# Altium PCB DL4-1AA.PcbDoc (part 4 of 5) (continued)
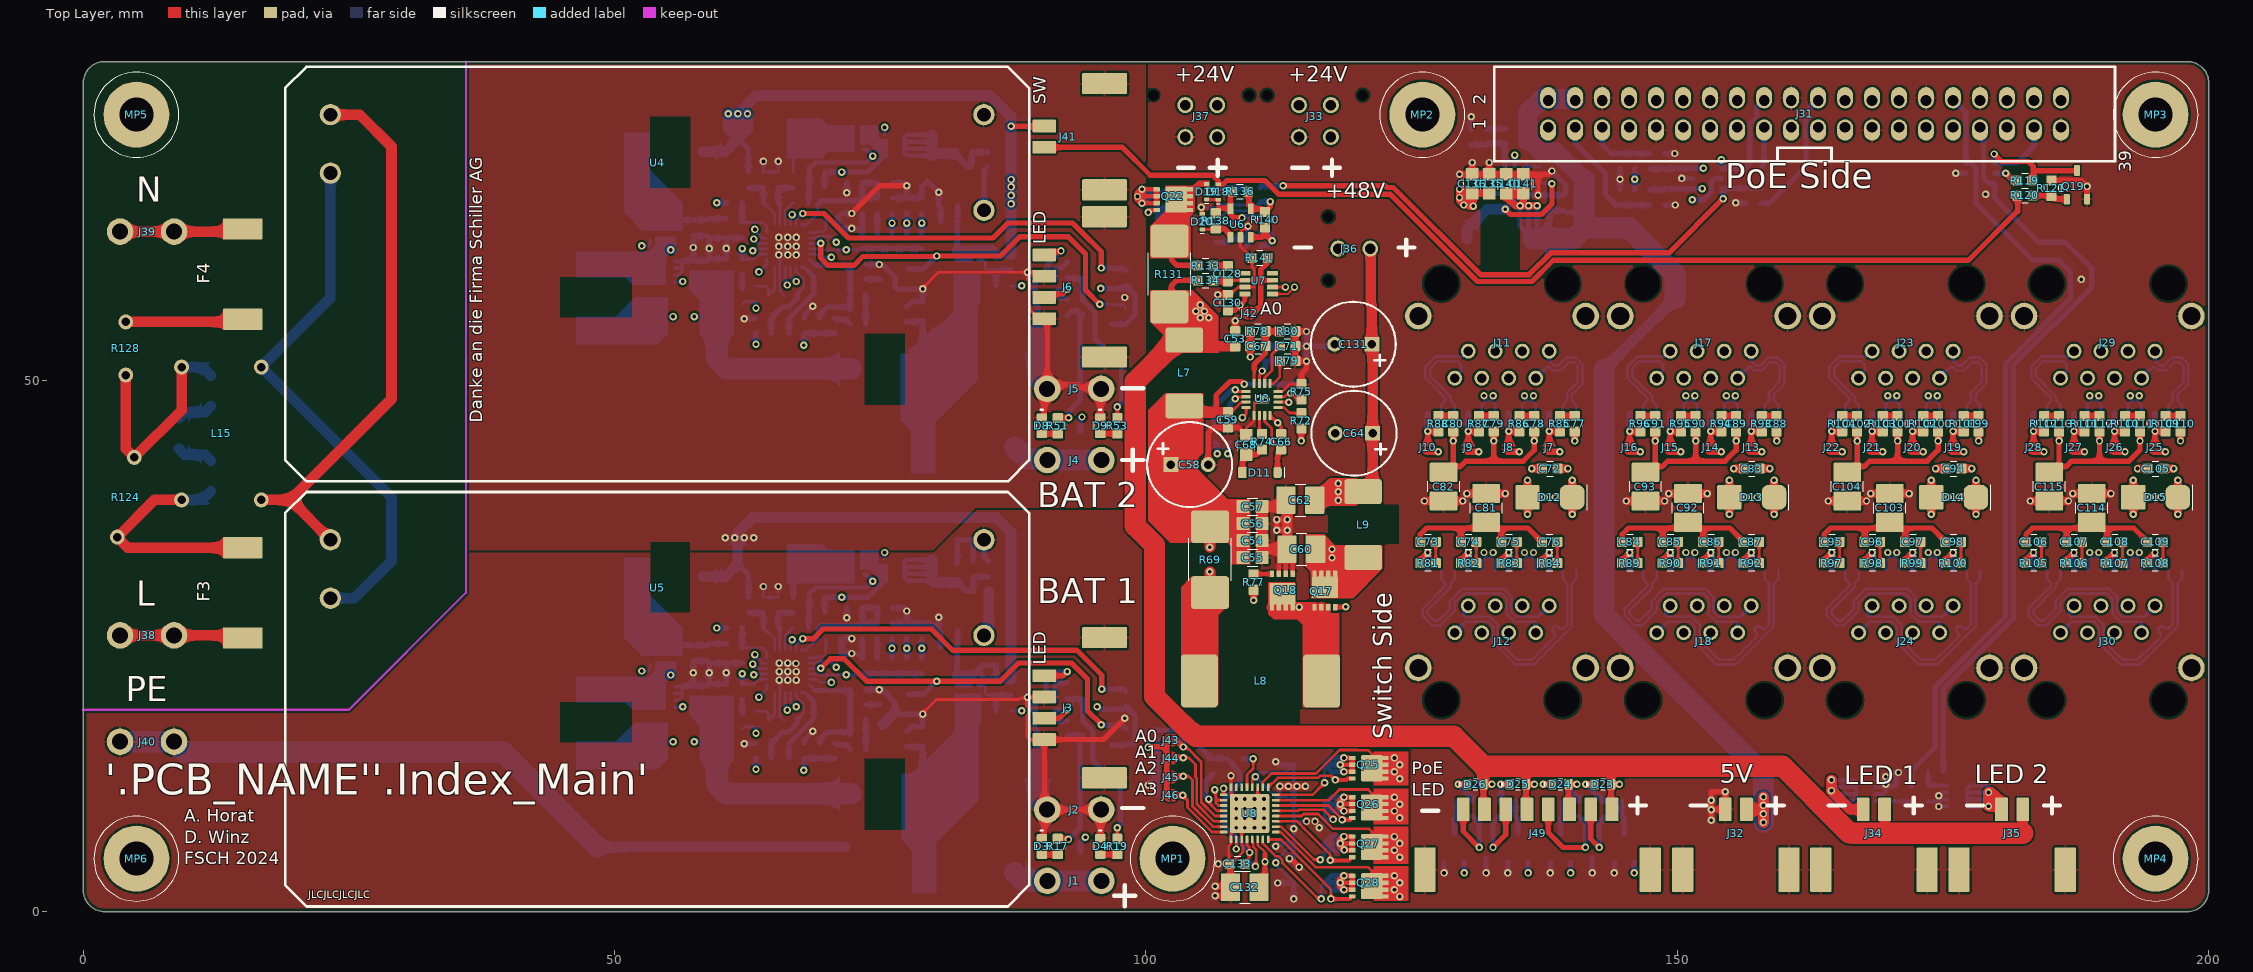
[diagram p0: Top Layer view]
## Nets (pads, with @x,y where several pads share a name; then routed paths per layer and width w, separated by ;. In a path a pad name is that pad's centre, name@x,y a point inside that pad or via, vN(x,y) a via of type N, cw(c..) or ccw(c..) an arc to the next point about the centre after c; other vN are vias at no path point) (continued)
  Mid 2 (PWR) w0.5: v1(136.535,44.3) v1(140.345,44.3)
NetC78_1: C78.1 R86.2 | length 1.4
  Top Layer w0.5: R86.2@135.135,46.65 C78.1@136.535,46.65
NetC79_1: C79.1 R87.2 | length 1.4
  Top Layer w0.5: R87.2@131.325,46.65 C79.1@132.725,46.65
NetC80_1: C80.1 R88.2 | length 1.4
  Top Layer w0.5: R88.2@127.515,46.65 C80.1@128.915,46.65
NetC83_2: C83.2 D13.2 J14.1 J16.1 Q26.D U8.31 | length 97.6
  Top Layer w0.25: U8.31@112.2,10.5 117.2,10.5 118.2,11.5 120.9,11.5 121.26,11.14 Q26.D@121.26,9.8
  Top Layer w0.4: Q26.D@121.26,9.8 121.585,9.475 Q26.D@122.525,9.475 v1(123.375,9.475) ; Q26.D@122.525,8.825 v1(123.875,8.825) ; Q26.D@122.525,10.125 v1(123.875,10.125) ; Q26.D@122.525,10.775 v1(123.375,10.775)
  Top Layer w0.6: J16.1@145.515,43.285 v1(146.5,43.285) ; J14.1@153.135,43.285 v1(154.12,43.285)
  Top Layer w0.7: v1(154.9,37.4) D13.2@154.9,39 ; v1(154.9,40.6) D13.2@154.9,39 ; v1(155.3,41.7) C83.2@156.275,41.7 ; v1(156.5,39) D13.2@154.9,39
  Mid 2 (PWR) w0.6: v1(154.12,43.285) 153.135,42.3 147.485,42.3 v1(146.5,43.285) 146.5,41.5 147,41 147.7,41.7 v1(155.3,41.7)
  Mid 2 (PWR) w0.7: v1(154.12,43.285) 155.3,42.105 v1(155.3,41.7) 155.3,41 v1(154.9,40.6) v1(156.5,39) v1(154.9,37.4)
  Mid 2 (PWR) w2: v1(123.375,10.775) v1(123.375,9.475) 124.575,9.475 138.975,23.875 138.975,23.944 140.381,25.35 140.45,25.35 147.3,32.2 147.3,34.4 149,36.1 153.6,36.1 v1(154.9,37.4)
NetC84_1: C84.1 R89.2 | length 2
  Top Layer w0.25: R89.2@146.265,32.8 C84.1@146.265,34.8
NetC84_2: C84.2 C85.2 C86.2 C87.2 C92.1 | length 16
  Top Layer w0.5: C84.2@144.815,34.8 144.815,35.515 145.4,36.1 150.45,36.1 C92.1@151,36.65 151.55,36.1 152.435,36.1 ; C85.2@148.625,34.8 148.625,36.1 ; C86.2@152.435,34.8 152.435,36.1 ; C87.2@156.245,34.8 154.945,36.1 152.435,36.1
NetC85_1: C85.1 R90.2 | length 2
  Top Layer w0.25: R90.2@150.075,32.8 C85.1@150.075,34.8
NetC86_1: C86.1 R91.2 | length 2
  Top Layer w0.25: R91.2@153.885,32.8 C86.1@153.885,34.8
NetC87_1: C87.1 R92.2 | length 2
  Top Layer w0.25: R92.2@157.695,32.8 C87.1@157.695,34.8
NetC88_1: C88.1 R93.2 | length 1.4
  Top Layer w0.5: R93.2@157.945,46.65 C88.1@159.345,46.65
NetC88_2: C88.2 C89.2 C90.2 C91.2 C93.1 | length 22.9
  Top Layer w0.5: C91.2@147.915,45.2 v1(147.915,44.3) 147.915,42.265 C93.1@147,41.35 147.55,41.9 148.6,41.9 149.1,42.4 151.725,42.4 ; C90.2@151.725,45.2 v1(151.725,44.3) 151.725,42.4 ; C89.2@155.535,45.2 v1(155.535,44.3) 155.535,43.435 154.5,42.4 151.725,42.4 ; v1(159.345,44.3) C88.2@159.345,45.2
  Mid 2 (PWR) w0.5: v1(155.535,44.3) v1(159.345,44.3)
NetC89_1: C89.1 R94.2 | length 1.4
  Top Layer w0.5: R94.2@154.135,46.65 C89.1@155.535,46.65
NetC90_1: C90.1 R95.2 | length 1.4
  Top Layer w0.5: R95.2@150.325,46.65 C90.1@151.725,46.65
NetC91_1: C91.1 R96.2 | length 1.4
  Top Layer w0.5: R96.2@146.515,46.65 C91.1@147.915,46.65
NetC94_2: C94.2 D14.2 J20.1 J22.1 Q27.D U8.28 | length 123.2
  Top Layer w0.25: U8.28@112.2,9 114.616,9 114.816,9.2 116.2,9.2 117.6,7.8 121,7.8 121.26,7.54 Q27.D@121.26,6.1
  Top Layer w0.4: Q27.D@121.26,6.1 121.585,5.775 Q27.D@122.525,5.775 v1(123.375,5.775) ; Q27.D@122.525,5.125 v1(123.875,5.125) ; Q27.D@122.525,6.425 v1(123.875,6.425) ; Q27.D@122.525,7.075 v1(123.375,7.075)
  Top Layer w0.6: J22.1@164.515,43.285 v1(165.5,43.285) ; J20.1@172.135,43.285 v1(173.12,43.285)
  Top Layer w0.7: v1(173.9,37.4) D14.2@173.9,39 ; v1(173.9,40.6) D14.2@173.9,39 ; v1(174.3,41.7) C94.2@175.275,41.7 ; v1(175.5,39) D14.2@173.9,39
  Mid 2 (PWR) w0.6: v1(173.12,43.285) 172.135,42.3 166.485,42.3 v1(165.5,43.285) 165.5,41.5 166,41 173.5,41 v1(173.9,40.6)
  Mid 2 (PWR) w0.7: v1(173.12,43.285) 174.3,42.105 v1(174.3,41.7) 174.3,41 v1(173.9,40.6) v1(175.5,39) v1(173.9,37.4)
  Mid 2 (PWR) w2: v1(123.375,7.075) v1(123.375,5.775) 127.175,5.775 130.4,9 148.2,9 153.5,14.3 153.5,19.6 160.9,27 160.9,32.9 163.8,35.8 172.3,35.8 v1(173.9,37.4)
NetC95_1: C95.1 R97.2 | length 2
  Top Layer w0.25: R97.2@165.265,32.8 C95.1@165.265,34.8
NetC95_2: C95.2 C96.2 C97.2 C98.2 C103.1 | length 16
  Top Layer w0.5: C95.2@163.815,34.8 163.815,35.515 164.4,36.1 169.45,36.1 C103.1@170,36.65 170.55,36.1 171.435,36.1 ; C96.2@167.625,34.8 167.625,36.1 ; C97.2@171.435,34.8 171.435,36.1 ; C98.2@175.245,34.8 173.945,36.1 171.435,36.1
NetC96_1: C96.1 R98.2 | length 2
  Top Layer w0.25: R98.2@169.075,32.8 C96.1@169.075,34.8
NetC97_1: C97.1 R99.2 | length 2
  Top Layer w0.25: R99.2@172.885,32.8 C97.1@172.885,34.8
NetC98_1: C98.1 R100.2 | length 2
  Top Layer w0.25: R100.2@176.695,32.8 C98.1@176.695,34.8
NetC99_1: C99.1 R101.2 | length 1.4
  Top Layer w0.5: R101.2@176.945,46.65 C99.1@178.345,46.65
NetC99_2: C99.2 C100.2 C101.2 C102.2 C104.1 | length 22.9
  Top Layer w0.5: C102.2@166.915,45.2 v1(166.915,44.3) 166.915,42.265 C104.1@166,41.35 166.55,41.9 167.6,41.9 168.1,42.4 170.725,42.4 ; C101.2@170.725,45.2 v1(170.725,44.3) 170.725,42.4 ; C100.2@174.535,45.2 v1(174.535,44.3) 174.535,43.435 173.5,42.4 170.725,42.4 ; v1(178.345,44.3) C99.2@178.345,45.2
  Mid 2 (PWR) w0.5: v1(174.535,44.3) v1(178.345,44.3)
NetC100_1: C100.1 R102.2 | length 1.4
  Top Layer w0.5: R102.2@173.135,46.65 C100.1@174.535,46.65
NetC101_1: C101.1 R103.2 | length 1.4
  Top Layer w0.5: R103.2@169.325,46.65 C101.1@170.725,46.65
NetC102_1: C102.1 R104.2 | length 1.4
  Top Layer w0.5: R104.2@165.515,46.65 C102.1@166.915,46.65
NetC105_2: C105.2 D15.2 J26.1 J28.1 Q28.D U8.25 | length 133.4
  Top Layer w0.25: U8.25@112.2,7.5 112.634,7.5 115.934,4.2 120.9,4.2 121.26,3.84 Q28.D@121.26,2.4
  Top Layer w0.4: Q28.D@121.26,2.4 121.585,2.075 Q28.D@122.525,2.075 v1(123.375,2.075) ; Q28.D@122.525,1.425 v1(123.875,1.425) ; Q28.D@122.525,2.725 v1(123.875,2.725) ; Q28.D@122.525,3.375 v1(123.375,3.375)
  Top Layer w0.6: J28.1@183.515,43.285 v1(184.5,43.285) ; J26.1@191.135,43.285 v1(192.12,43.285)
  Top Layer w0.7: v1(192.9,37.4) D15.2@192.9,39 ; v1(192.9,40.6) D15.2@192.9,39 ; v1(193.3,41.7) C105.2@194.275,41.7 ; v1(194.5,39) D15.2@192.9,39
  Mid 2 (PWR) w0.6: v1(184.5,43.285) 185.485,42.3 191.135,42.3 v1(192.12,43.285)
  Mid 2 (PWR) w0.7: v1(192.12,43.285) 193.3,42.105 v1(193.3,41.7) 193.3,41 v1(192.9,40.6) v1(194.5,39) v1(192.9,37.4)
  Mid 2 (PWR) w2: v1(123.375,3.375) v1(123.375,2.075) 163.375,2.075 174.465,13.165 174.465,21.765 185.4,32.7 185.4,34.5 187.4,36.5 192,36.5 v1(192.9,37.4)
NetC106_1: C106.1 R105.2 | length 2
  Top Layer w0.25: R105.2@184.265,32.8 C106.1@184.265,34.8
NetC106_2: C106.2 C107.2 C108.2 C109.2 C114.1 | length 16
  Top Layer w0.5: C106.2@182.815,34.8 182.815,35.515 183.4,36.1 188.45,36.1 C114.1@189,36.65 189.55,36.1 190.435,36.1 ; C107.2@186.625,34.8 186.625,36.1 ; C108.2@190.435,34.8 190.435,36.1 ; C109.2@194.245,34.8 192.945,36.1 190.435,36.1
NetC107_1: C107.1 R106.2 | length 2
  Top Layer w0.25: R106.2@188.075,32.8 C107.1@188.075,34.8
NetC108_1: C108.1 R107.2 | length 2
  Top Layer w0.25: R107.2@191.885,32.8 C108.1@191.885,34.8
NetC109_1: C109.1 R108.2 | length 2
  Top Layer w0.25: R108.2@195.695,32.8 C109.1@195.695,34.8
NetC110_1: C110.1 R109.2 | length 1.4
  Top Layer w0.5: R109.2@195.945,46.65 C110.1@197.345,46.65
NetC110_2: C110.2 C111.2 C112.2 C113.2 C115.1 | length 22.9
  Top Layer w0.5: C113.2@185.915,45.2 v1(185.915,44.3) 185.915,42.265 C115.1@185,41.35 185.55,41.9 186.6,41.9 187.1,42.4 189.725,42.4 ; C112.2@189.725,45.2 v1(189.725,44.3) 189.725,42.4 ; C111.2@193.535,45.2 v1(193.535,44.3) 193.535,43.435 192.5,42.4 189.725,42.4 ; v1(197.345,44.3) C110.2@197.345,45.2
  Mid 2 (PWR) w0.5: v1(193.535,44.3) v1(197.345,44.3)
NetC111_1: C111.1 R110.2 | length 1.4
  Top Layer w0.5: R110.2@192.135,46.65 C111.1@193.535,46.65
NetC112_1: C112.1 R111.2 | length 1.4
  Top Layer w0.5: R111.2@188.325,46.65 C112.1@189.725,46.65
NetC113_1: C113.1 R112.2 | length 1.4
  Top Layer w0.5: R112.2@184.515,46.65 C113.1@185.915,46.65
NetC118_1: C118.1 J31.3 R113.1 R115.2 | length 12.2
  Bottom Layer w0.5: J31.3@140.38,73.9 140.38,72.32 143.2,69.5 143.2,67.5 144.2,66.5 C118.1@144.6,66.5 R113.1@146,66.5 R115.2@147.4,66.5
NetC119_1: C119.1 J31.5 R114.1 R116.2 | length 6.5
  Bottom Layer w0.5: J31.5@142.92,73.9 142.92,72.18 143.75,71.35 C119.1@144.6,71.35 R114.1@146,71.35 R116.2@147.4,71.35
NetC120_1: C120.1 D16.6 R118.1 R143.1 | length 54.9
  Top Layer w0.5: v1(112.9,68.3) 122.5,68.3 122.65,68.15 123.269,68.15 131.469,59.95 136.05,59.95 138.1,62 149.2,62 v1(154.3,67.1)
  Bottom Layer w0.5: R143.1@110.725,68.125 110.9,68.3 v1(112.9,68.3) ; v1(154.3,67.1) 154.3,67.9 D16.6@154.15,68.05 156.425,68.05 C120.1@156.5,68.125 R118.1@157.9,68.125
NetC121_1: C121.1 Q20.G R122.1 | length 3.4
  Bottom Layer w0.4: Q20.G@168.66,10.425 170.55,10.425 C121.1@170.6,10.375 R122.1@172,10.375
NetC122_1: C122.1 Q21.G R123.1 | length 3.2
  Bottom Layer w0.4: R123.1@173.575,13.2 173.587,13.187 173.587,11.838 C122.1@173.6,11.825 173.65,11.875 Q21.G@175.4,11.875
NetC123_1: C123.1 C124.1 L14.2 Q9.D R129.1 | length 21.4
  Bottom Layer w0.4: 79.9,71.152 Q9.D@78.525,71.152 77.448,71.152 77.26,71.34 Q9.D@77.26,72.127 ; 79.9,71.802 Q9.D@78.525,71.802 77.585,71.802 Q9.D@77.26,72.127 ; 79.9,72.452 Q9.D@78.525,72.452 77.585,72.452 Q9.D@77.26,72.127 ; 79.9,73.102 Q9.D@78.525,73.102 77.502,73.102 77.26,72.86 Q9.D@77.26,72.127
  Bottom Layer w0.5: C123.1@82,71.35 83.25,70.1 L14.2@83.575,70.1 R129.1@83.575,71.475 ; R129.1@83.7,71.475 C124.1@85.1,71.475
  Bottom Layer w1: 79.9,71.152 79.9,71.802 79.9,72.452 79.9,73.102 ; 79.9,71.35 C123.1@82,71.35
NetC125_1: C125.1 C126.1 L16.2 Q1.D R130.1 | length 21.6
  Bottom Layer w0.4: 79.9,31.152 Q1.D@78.525,31.152 77.548,31.152 77.26,31.44 Q1.D@77.26,32.127 ; 79.9,31.802 Q1.D@78.525,31.802 77.585,31.802 Q1.D@77.26,32.127 ; 79.9,32.452 Q1.D@78.525,32.452 77.585,32.452 Q1.D@77.26,32.127 ; 79.9,33.102 Q1.D@78.525,33.102 77.502,33.102 77.26,32.86 Q1.D@77.26,32.127
  Bottom Layer w0.5: C125.1@82.248,30.975 83.023,30.2 83.675,30.2 L16.2@83.775,30.1 83.747,30.128 R130.1@83.747,31.5 83.772,31.525 C126.1@85.148,31.525
  Bottom Layer w1: 79.9,33.102 79.9,32.452 79.9,31.802 79.9,31.152 80.077,30.975 C125.1@82.248,30.975
NetC127_2: C127.2 Q22.G R132.2 R135.1 | length 4.6
  Top Layer w0.4: v1(100.2,65.8) 100.425,66.025 Q22.G@101,66.025
  Bottom Layer w0.5: v1(100.2,65.8) 100.425,66.025 100.95,66.025 R132.2@101.1,66.175 C127.2@102.5,66.175 ; R135.1@101.2,64.725 R132.2@101.2,66.025
NetC128_1: C128.1 R134.2 U7.2 | length 3
  Top Layer w0.25: C128.1@107.7,59.325 107.8,59.425 U7.2@109.3,59.425
  Top Layer w0.5: R134.2@106.325,59.4 106.362,59.363 107.662,59.363 C128.1@107.7,59.325
NetC128_2: C128.2 R133.2 U7.1@109.3,60.075 | length 3.3
  Top Layer w0.25: C128.2@107.65,60.825 C128.2@107.7,60.775 108.4,60.075 U7.1@109.3,60.075
  Top Layer w0.5: R133.2@106.325,60.8 106.338,60.788 107.613,60.788 C128.2@107.65,60.825
NetC134_1: C134.1 U9.6 | length 1.8
  Bottom Layer w0.25: U9.6@135.65,70.25 135.763,70.363 135.763,70.149 135.8,70.112 137.013,70.112 C134.1@137.1,70.025
NetC134_2: C134.2 L17.1 U9.2 | length 15.2
  Top Layer w0.5: v1(133.8,66.1) 134.3,65.6 137.2,65.6 138.2,66.6 v1(138.2,68.5)
  Bottom Layer w0.25: C134.2@137.1,68.575 138.125,68.575 v1(138.2,68.5)
  Bottom Layer w0.5: v1(133.8,66.1) 134.7,67 U9.2@134.7,67.55
  Bottom Layer w1: L17.1@130.2,63.3 130.2,64.2 132.1,66.1 v1(133.8,66.1)
NetC143_1: C143.1 R164.2 R165.2 U9.4 | length 5.2
  Bottom Layer w0.5: R165.2@130.6,72.175 C143.1@132,72.175 132.1,72.275 133.65,72.275 133.75,72.175 U9.4@133.75,70.25 ; R164.2@133.85,72.275 R164.2@133.875,72.3
NetC143_2: C143.2 R166.1 | length 1.9
  Bottom Layer w0.5: C143.2@132,73.625 132.037,73.663 133.838,73.663 R166.1@133.875,73.7
NetD1_1: D1.1 R12.1 U1.22 | length 10.8
  Mid 2 (PWR) w0.25: v1(63,23.3) 64.199,22.101 64.199,17.702 v1(63.299,16.802)
  Bottom Layer w0.25: R12.1@62,17.175 62.227,17.402 D1.1@63.3,17.402 63.3,17.302 v1@63.3,16.801 ; v1(63,23.3) 63.423,22.877 U1.22@64.3,22.877 ; v1@63.299,16.8 v1(63.299,16.802)
NetD3_2: D3.2 R17.2 | length 1.5
  Top Layer w0.5: D3.2@90.199,5.376 91.474,5.376 91.511,5.413 R17.2@91.699,5.413
NetD4_2: D4.2 R19.2 | length 1.6
  Top Layer w0.5: D4.2@95.699,5.376 97.262,5.376 R19.2@97.299,5.413
NetD5_1: D5.1@91.449,19.85 J3.1@90.429,22.2 R20.2 | length 10.1
  Top Layer w0.5: J3.1@90.429,22.2 92.199,22.2 v1(92.599,22.6)
  Bottom Layer w0.25: 91.449,21.349 91.5,21.4
  Bottom Layer w0.5: 91.449,21.349 D5.1@91.449,19.85 90.95,19.85 90.6,20.2 90.6,21.8 91.4,22.6 v1(92.599,22.6) ; 91.449,21.35 91.5,21.401 91.649,21.55 R20.2@92.599,21.55
NetD5_2: D5.2 J3.3 R18.2 | length 5.6
  Top Layer w0.5: J3.3@90.429,18.2 91.8,18.2 v1(92.6,19)
  Bottom Layer w0.5: R18.2@92.599,17.95 91.65,17.95 91.449,18.151 D5.2@91.449,18.55 91.449,18.849 91.6,19 v1(92.6,19)
NetD6_1: D6.1 R46.1 U2.22 | length 10.7
  Mid 2 (PWR) w0.25: v1(63.1,63.3) 64.199,62.201 64.199,57.702 v1(63.299,56.802)
  Bottom Layer w0.25: R46.1@62,57.175 62.227,57.402 D6.1@63.3,57.402 63.3,57.302 v1@63.3,56.801 ; v1(63.1,63.3) 63.523,62.877 U2.22@64.3,62.877 ; v1@63.299,56.8 v1(63.299,56.802)
NetD8_2: D8.2 R51.2 | length 1.5
  Top Layer w0.5: D8.2@90.2,44.976 90.218,44.994 91.681,44.994 R51.2@91.7,45.013
NetD9_2: D9.2 R53.2 | length 1.6
  Top Layer w0.5: D9.2@95.7,44.976 95.719,44.994 97.075,44.994 97.093,45.013 R53.2@97.3,45.013
NetD10_1: D10.1@91.45,59.45 J6.1@90.43,61.8 R54.2 | length 7.6
  Top Layer w0.5: J6.1@90.43,61.8 90.78,62.15 91.969,62.15 v1(92,62.181)
  Bottom Layer w0.5: D10.1@91.4,59.5 90.765,60.135 90.765,60.946 v1(92,62.181) ; D10.1@91.45,59.45 91.449,60.4 91.624,60.575 92.025,60.575 R54.2@92.6,61.15
NetD10_2: D10.2 J6.3 R52.2 | length 5.1
  Top Layer w0.5: J6.3@90.43,57.8 90.78,58.15 92.169,58.15 v1(92.569,58.55)
  Bottom Layer w0.5: v1(92.569,58.55) 91.85,58.55 D10.2@91.45,58.15 91.825,57.775 92.375,57.775 R52.2@92.6,57.55
NetD17_3: D17.3 J31.32 R122.2 | length 77.1
  Bottom Layer w0.5: R122.2@172,11.825 172,13.2 174.261,15.461 174.261,21.161 180.9,27.8 180.9,51.6 187,57.7 187,60.2 185.9,61.3 183.47,61.3 178.1,66.67 178.1,70 177.65,70.45 D17.3@177.15,70.45 177.15,75.23 J31.32@175.94,76.44
NetD17_4: D17.4 J31.37 Q19.3 R119.2 | length 17.2
  Top Layer w0.5: v1(179.8,71.3) 180.5,70.6 183.035,70.6 183.498,70.137 183.498,68.873 R119.2@183.425,68.8 ; 183.498,69.71 187.56,69.71 Q19.3@187.6,69.75
  Bottom Layer w0.5: v1(179.8,71.3) 179.85,71.25 D17.4@179.85,70.45 181.95,70.45 183.56,72.06 183.56,73.9 183.56,74.16 J31.37@183.43,74.03
NetD17_6: D17.6 J31.33 R123.2 | length 72.7
  Bottom Layer w0.5: R123.2@175.025,13.2 175.025,21.006 181.6,27.581 181.6,51.381 189,58.781 189,60.5 186.5,63 184,63 179.85,67.15 D17.6@179.85,68.55 179.25,68.55 178.8,69 178.8,73.58 J31.33@178.48,73.9
NetD18_2: D18.2 J41.2 R120.1 | length 101.6
  Top Layer w0.5: J41.2@90.43,71.925 97.775,71.925 100.4,69.3 106.3,69.3 106.6,69 106.8,68.8 D18.2@106.8,68.45 107.025,68.45 107.25,68.45 107.6,68.8 108.9,68.8 111.2,68.8 112.5,67.5 123,67.5 130.9,59.6 131.2,59.3 136.319,59.3 138.319,61.3 149.419,61.3 177.4,61.3 182.025,65.925 182.025,67.35 R120.1@181.975,67.4
NetD19_2: D19.2 Q22.D R131.1 R133.1 | length 10.6
  Top Layer w0.5: R131.1@102.2,63.1 102.3,63.1 102.4,63 102.4,61.325 102.9,60.825 104.85,60.825 R133.1@104.875,60.8 ; Q22.D@104.125,67.975 104.55,67.975 105.05,68.475 D19.2@105.7,68.475
  Top Layer w2: R131.1@102.2,63.1 102.295,63.1 102.845,63.65 102.845,66.985 Q22.D@102.86,67
NetD20_1: D20.1 R138.2 U6.1@107.95,63.45 | length 3.2
  Top Layer w0.25: D20.1@105.3,64.2 106.485,64.2 R138.2@106.56,64.275
  Top Layer w0.5: R138.2@106.56,64.275 107.36,64.275 107.785,63.85 107.785,63.84 107.95,63.675 U6.1@107.95,63.45
NetD21_1: D21.1@131.35,6.95 J49.8 R159.1 | length 7.4
  Top Layer w0.5: J49.8@129.85,9.625 129.85,7.55 v1(131.35,6.05)
  Bottom Layer w0.5: R159.1@130.725,9 131.35,8.375 D21.1@131.35,6.95 v1(131.35,6.05)
NetD21_2: D21.2 J49.6 R158.1 | length 7.3
  Top Layer w0.5: v1(132.65,6.05) 133.85,7.25 J49.6@133.85,9.625
  Bottom Layer w0.5: v1(132.65,6.05) D21.2@132.65,6.95 132.65,8.375 R158.1@133.275,9
NetD22_1: D22.1@141.35,6.95 J49.4 R157.1 | length 9.5
  Top Layer w0.5: J49.4@137.85,9.625 137.85,7.45 139.25,6.05 v1(141.35,6.05)
  Bottom Layer w0.5: R157.1@140.725,9 141.35,8.375 D22.1@141.35,6.95 v1(141.35,6.05)
NetD22_2: D22.2 J49.2 R156.1 | length 7.1
  Top Layer w0.5: J49.2@141.85,9.625 141.85,6.85 v1(142.65,6.05)
  Bottom Layer w0.5: v1(142.65,6.05) D22.2@142.65,6.95 142.65,8.375 R156.1@143.275,9
NetD23_1: D23.1 R160.1 | length 3.4
  Top Layer w0.5: v1(141.4,12) D23.1@142.238,12
  Bottom Layer w0.5: v1(141.4,12) 143,10.4 R160.1@143.275,10.4
NetD24_1: D24.1 R161.1 | length 5
  Top Layer w0.5: v1(137.4,12) D24.1@138.238,12
  Bottom Layer w0.5: v1(137.4,12) 139.4,12 140.725,10.675 R161.1@140.725,10.4
NetD25_1: D25.1 R162.1 | length 2.5
  Top Layer w0.5: v1(133.4,12) D25.1@134.238,12
  Bottom Layer w0.5: R162.1@133.275,10.4 133.4,10.525 v1(133.4,12)
NetD26_1: D26.1 R163.1 | length 3
  Top Layer w0.5: v1(129.4,12) D26.1@130.238,12
  Bottom Layer w0.5: v1(129.4,12) 130.725,10.675 R163.1@130.725,10.4
NetF1_2: F1.2 J1.1 | length 8.5
  Bottom Layer w2: F1.2@87.65,3.7 88.45,2.9 J1.1@90.72,2.9 J1.1@95.8,2.9
NetF2_2: F2.2 J4.1 | length 8.6
  Bottom Layer w2: F2.2@87.65,43.7 88.754,42.596 90.625,42.596 J4.1@90.721,42.5 J4.1@95.801,42.5
NetJ7_2: J7.2 L10.10 R85.1 | length 3.8
  Top Layer w0.5: J7.2@137.945,44.085 v1(137.945,45.2) R85.1@138.945,45.2
  Bottom Layer w0.6: v1(137.945,45.2) L10.10@137.945,46.875
NetJ8_2: J8.2 L10.7 R86.1 | length 3.8
  Top Layer w0.5: J8.2@134.135,44.085 v1(134.135,45.2) R86.1@135.135,45.2
  Bottom Layer w0.6: v1(134.135,45.2) L10.7@134.135,46.875
NetJ9_2: J9.2 L10.4 R87.1 | length 3.8
  Top Layer w0.5: J9.2@130.325,44.085 v1(130.325,45.2) R87.1@131.325,45.2
  Bottom Layer w0.6: v1(130.325,45.2) L10.4@130.325,46.875
NetJ10_2: J10.2 L10.1@126.515,46.875 R88.1 | length 3.8
  Top Layer w0.5: J10.2@126.515,44.085 v1(126.515,45.2) R88.1@127.515,45.2
  Bottom Layer w0.6: v1(126.515,45.2) L10.1@126.515,46.875
NetJ13_2: J13.2 L11.10 R93.1 | length 3.8
  Top Layer w0.5: J13.2@156.945,44.085 v1(156.945,45.2) R93.1@157.945,45.2
  Bottom Layer w0.6: v1(156.945,45.2) L11.10@156.945,46.875
NetJ14_2: J14.2 L11.7 R94.1 | length 3.8
  Top Layer w0.5: J14.2@153.135,44.085 v1(153.135,45.2) R94.1@154.135,45.2
  Bottom Layer w0.6: v1(153.135,45.2) L11.7@153.135,46.875
NetJ15_2: J15.2 L11.4 R95.1 | length 3.8
  Top Layer w0.5: J15.2@149.325,44.085 v1(149.325,45.2) R95.1@150.325,45.2
  Bottom Layer w0.6: v1(149.325,45.2) L11.4@149.325,46.875
NetJ16_2: J16.2 L11.1@145.515,46.875 R96.1 | length 3.8
  Top Layer w0.5: J16.2@145.515,44.085 v1(145.515,45.2) R96.1@146.515,45.2
  Bottom Layer w0.6: v1(145.515,45.2) L11.1@145.515,46.875
NetJ19_2: J19.2 L12.10 R101.1 | length 3.8
  Top Layer w0.5: J19.2@175.945,44.085 v1(175.945,45.2) R101.1@176.945,45.2
  Bottom Layer w0.6: v1(175.945,45.2) L12.10@175.945,46.875
NetJ20_2: J20.2 L12.7 R102.1 | length 3.8
  Top Layer w0.5: J20.2@172.135,44.085 v1(172.135,45.2) R102.1@173.135,45.2
  Bottom Layer w0.6: v1(172.135,45.2) L12.7@172.135,46.875
NetJ21_2: J21.2 L12.4 R103.1 | length 3.8
  Top Layer w0.5: J21.2@168.325,44.085 v1(168.325,45.2) R103.1@169.325,45.2
  Bottom Layer w0.6: v1(168.325,45.2) L12.4@168.325,46.875
NetJ22_2: J22.2 L12.1@164.515,46.875 R104.1 | length 3.8
  Top Layer w0.5: J22.2@164.515,44.085 v1(164.515,45.2) R104.1@165.515,45.2
  Bottom Layer w0.6: v1(164.515,45.2) L12.1@164.515,46.875
NetJ25_2: J25.2 L13.10 R109.1 | length 3.8
  Top Layer w0.5: J25.2@194.945,44.085 v1(194.945,45.2) R109.1@195.945,45.2
  Bottom Layer w0.6: v1(194.945,45.2) L13.10@194.945,46.875
NetJ26_2: J26.2 L13.7 R110.1 | length 3.8
  Top Layer w0.5: J26.2@191.135,44.085 v1(191.135,45.2) R110.1@192.135,45.2
  Bottom Layer w0.6: v1(191.135,45.2) L13.7@191.135,46.875
NetJ27_2: J27.2 L13.4 R111.1 | length 3.8
  Top Layer w0.5: J27.2@187.325,44.085 v1(187.325,45.2) R111.1@188.325,45.2
  Bottom Layer w0.6: v1(187.325,45.2) L13.4@187.325,46.875
NetJ28_2: J28.2 L13.1@183.515,46.875 R112.1 | length 3.8
  Top Layer w0.5: J28.2@183.515,44.085 v1(183.515,45.2) R112.1@184.515,45.2
  Bottom Layer w0.6: v1(183.515,45.2) L13.1@183.515,46.875
NetJ31_22: J31.22 R118.2 | length 12.4
  Bottom Layer w0.5: R118.2@157.9,66.675 158.675,66.675 162.1,70.1 162.1,72.914 162.09,72.924 162.09,75.29 J31.22@163.24,76.44
NetJ34_2: J34.2 Q20.D | length 17.6
  Top Layer w1: v1(164.5,12.4) v1(164.5,11.4) 166.275,9.625 J34.2@167.5,9.625
  Bottom Layer w0.4: v1(164.5,11.4) v1@164.5,11.075 ; v1@164.5,11.46 v1@164.5,11.725 ; v1(164.5,12.4) v1@164.5,11.725 ; v1@164.525,12.375 Q20.D@165.535,12.375 166.525,12.375 166.8,12.1 Q20.D@166.8,11.4 ; v1@164.5,11.075 Q20.D@165.535,11.075 Q20.D@166.8,11.075 ; v1@164.5,11.075 164.5,10.8 164.875,10.425 Q20.D@165.535,10.425 166.525,10.425 166.8,10.7 Q20.D@166.8,11.075 ; v1@164.5,11.725 Q20.D@165.535,11.725 166.8,11.725 Q20.D@166.8,11.4 ; Q20.D@166.8,11.075 Q20.D@166.8,11.4
NetJ35_2: J35.2 Q21.D | length 16
  Top Layer w1: v1(179.275,9.925) v1(179.275,11.225) 179.545,11.225 180.5,10.27 180.155,9.925 v1(179.275,9.925)
  Bottom Layer w0.4: v1@179.225,11.225 Q21.D@178.525,11.225 Q21.D@177.26,11.225 ; Q21.D@177.26,10.575 Q21.D@178.525,10.575 179.3,10.575 ; Q21.D@177.26,10.575 Q21.D@177.26,10.9 Q21.D@177.26,11.225 ; Q21.D@177.26,10.575 177.26,10.04 177.375,9.925 Q21.D@178.525,9.925 v1(179.275,9.925) 179.3,9.95 179.3,10.575 ; Q21.D@177.26,11.225 177.26,11.56 177.575,11.875 Q21.D@178.525,11.875 179.225,11.875 179.3,11.8 179.3,10.575
NetJ42_2: J42.2 R141.1 U7.7 | length 6.8
  Top Layer w0.4: 110.8,59.4 U7.7@111.875,59.4
  Top Layer w0.5: J42.2@110.1,56.325 110.8,57.025 110.8,59.4 110.8,60.425 111.425,61.05 R141.1@111.425,61.525
NetJ47_1: J47.1 J48.1 U8.4 | length 6.7
  Top Layer w0.25: U8.4@110,11.7 110,12.4 v1(110.3,12.7)
  Bottom Layer w0.25: J48.1@112.6,10.8 112.2,10.8 v1(110.3,12.7) 110.7,13.1 J47.1@112.6,13.1
NetJ50_1: J50.1 J51.1 U8.18 | length 8.7
  Top Layer w0.25: v1(108.5,5.9) U8.18@108.5,6.8
  Mid 2 (PWR) w0.25: v1(108.5,5.9) 108.5,5.031 110.031,3.5 111.1,3.5 v1(112.2,4.6)
  Bottom Layer w0.25: J50.1@112.8,5.4 112.2,4.8 v1(112.2,4.6) 112.2,4.4 J51.1@112.823,3.777
NetL2_2: L2.2 R11.1 R13.1 | length 18.6
  Mid 2 (PWR) w0.5: v1(55.5,16) 55.5,15.9 58,13.4 v1(63.3,13.4)
  Bottom Layer w0.25: L2.2@48.199,14.7 48.799,14.1 51.949,14.1 51.949,14.2 53.399,15.65 R11.1@53.399,16 v1(55.5,16)
  Bottom Layer w0.5: R13.1@63.275,14.427 63.275,13.425 v1(63.3,13.4)
NetL5_2: L5.2 R45.1 R47.1 | length 18.6
  Mid 2 (PWR) w0.5: v1(55.5,56) 55.5,55.9 58,53.4 v1(63.3,53.4)
  Bottom Layer w0.25: L5.2@48.199,54.7 48.799,54.1 51.949,54.1 51.949,54.2 53.399,55.65 R45.1@53.399,56 v1(55.5,56)
  Bottom Layer w0.5: R47.1@63.275,54.427 63.275,53.425 v1(63.3,53.4)
NetL8_1: L8.1 R69.2 R71.1 | length 24.2
  Top Layer w1: L8.1@105.025,21.725 106.025,22.725 R69.2@106.025,30.025 106.025,31.975 v1(106,32)
  Mid 2 (PWR) w0.5: v1(106,32) 105.2,32.8 105.2,37.675 107,39.475 107,42.8 v1(106.7,43.1)
  Bottom Layer w0.5: R71.1@106.5,44.175 106.7,43.975 v1(106.7,43.1)
NetL10_15: L10.15 R84.1 | length 3
  Top Layer w0.5: R84.1@137.245,32.8 137.245,33.1 v1(137.945,33.8)
  Bottom Layer w0.5: L10.15@137.945,32.125 v1(137.945,33.8)
NetL10_18: L10.18 R83.1 | length 3
  Top Layer w0.5: R83.1@133.435,32.8 133.435,33.1 v1(134.135,33.8)
  Bottom Layer w0.5: L10.18@134.135,32.125 v1(134.135,33.8)
NetL10_21: L10.21 R82.1 | length 3
  Top Layer w0.5: R82.1@129.625,32.8 129.625,33.1 v1(130.325,33.8)
  Bottom Layer w0.5: L10.21@130.325,32.125 v1(130.325,33.8)
NetL10_24: L10.24 R81.1 | length 3
  Top Layer w0.5: R81.1@125.815,32.8 125.815,33.1 v1(126.515,33.8)
  Bottom Layer w0.5: L10.24@126.515,32.125 v1(126.515,33.8)
NetL11_15: L11.15 R92.1 | length 3
  Top Layer w0.5: R92.1@156.245,32.8 156.245,33.1 v1(156.945,33.8)
  Bottom Layer w0.5: L11.15@156.945,32.125 v1(156.945,33.8)
NetL11_18: L11.18 R91.1 | length 3
  Top Layer w0.5: R91.1@152.435,32.8 152.435,33.1 v1(153.135,33.8)
  Bottom Layer w0.5: L11.18@153.135,32.125 v1(153.135,33.8)
NetL11_21: L11.21 R90.1 | length 3
  Top Layer w0.5: R90.1@148.625,32.8 148.625,33.1 v1(149.325,33.8)
  Bottom Layer w0.5: L11.21@149.325,32.125 v1(149.325,33.8)
NetL11_24: L11.24 R89.1 | length 3
  Top Layer w0.5: R89.1@144.815,32.8 144.815,33.1 v1(145.515,33.8)
  Bottom Layer w0.5: L11.24@145.515,32.125 v1(145.515,33.8)
NetL12_15: L12.15 R100.1 | length 3
  Top Layer w0.5: R100.1@175.245,32.8 175.245,33.1 v1(175.945,33.8)
  Bottom Layer w0.5: L12.15@175.945,32.125 v1(175.945,33.8)
NetL12_18: L12.18 R99.1 | length 3
  Top Layer w0.5: R99.1@171.435,32.8 171.435,33.1 v1(172.135,33.8)
  Bottom Layer w0.5: L12.18@172.135,32.125 v1(172.135,33.8)
NetL12_21: L12.21 R98.1 | length 3
  Top Layer w0.5: R98.1@167.625,32.8 167.625,33.1 v1(168.325,33.8)
  Bottom Layer w0.5: L12.21@168.325,32.125 v1(168.325,33.8)
NetL12_24: L12.24 R97.1 | length 3
  Top Layer w0.5: R97.1@163.815,32.8 163.815,33.1 v1(164.515,33.8)
  Bottom Layer w0.5: L12.24@164.515,32.125 v1(164.515,33.8)
NetL13_15: L13.15 R108.1 | length 3
  Top Layer w0.5: R108.1@194.245,32.8 194.245,33.1 v1(194.945,33.8)
  Bottom Layer w0.5: L13.15@194.945,32.125 v1(194.945,33.8)
NetL13_18: L13.18 R107.1 | length 3
  Top Layer w0.5: R107.1@190.435,32.8 190.435,33.1 v1(191.135,33.8)
  Bottom Layer w0.5: L13.18@191.135,32.125 v1(191.135,33.8)
NetL13_21: L13.21 R106.1 | length 3
  Top Layer w0.5: R106.1@186.625,32.8 186.625,33.1 v1(187.325,33.8)
  Bottom Layer w0.5: L13.21@187.325,32.125 v1(187.325,33.8)